# Altium PCB VCU.PcbDoc (part 1 of 2)
Units mm, origin at the board's own origin, x right, y up, seen from the top; angles counter-clockwise.
Board outline 152.4 x 101.6 mm, 4 copper layers (Top Layer, Layer 1, Layer 2, Bottom Layer), stack 0.603 mm thick; 101 components, 108 nets, 442 pads, 150 vias.
Unrouted connection lines stored in the file: 1.
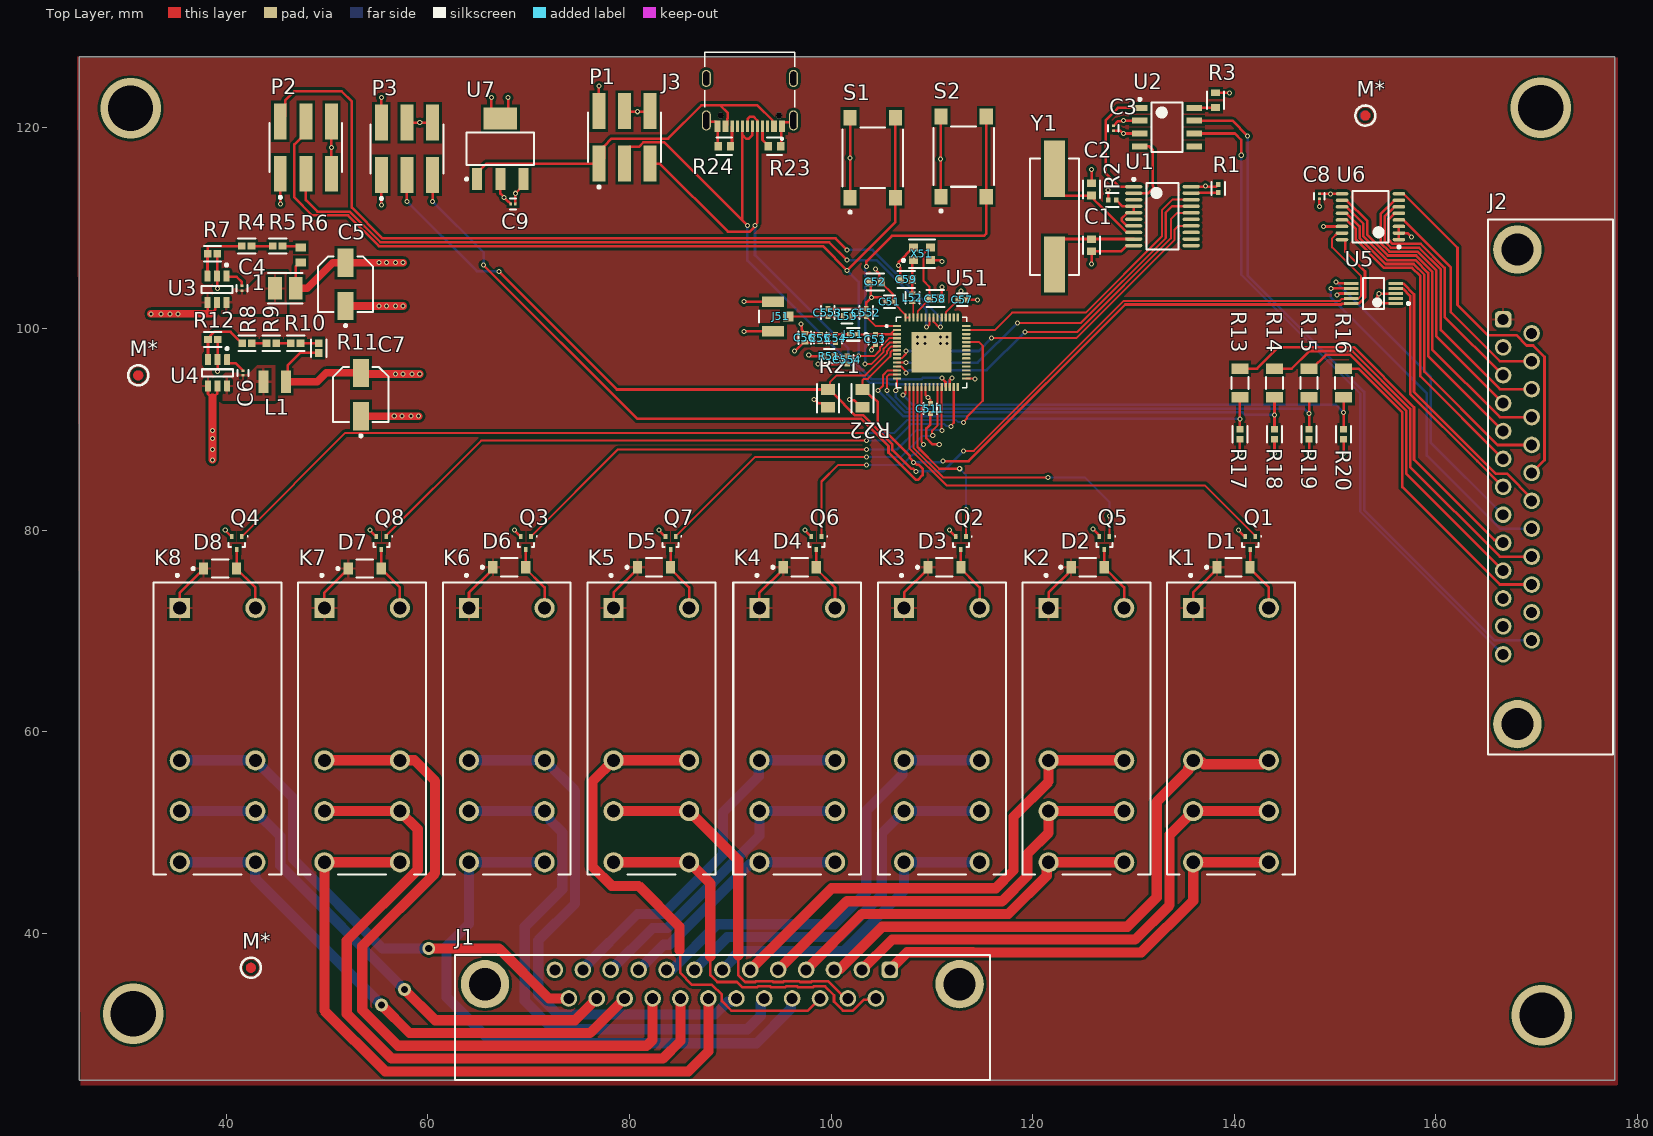
[diagram p0: Top Layer view]
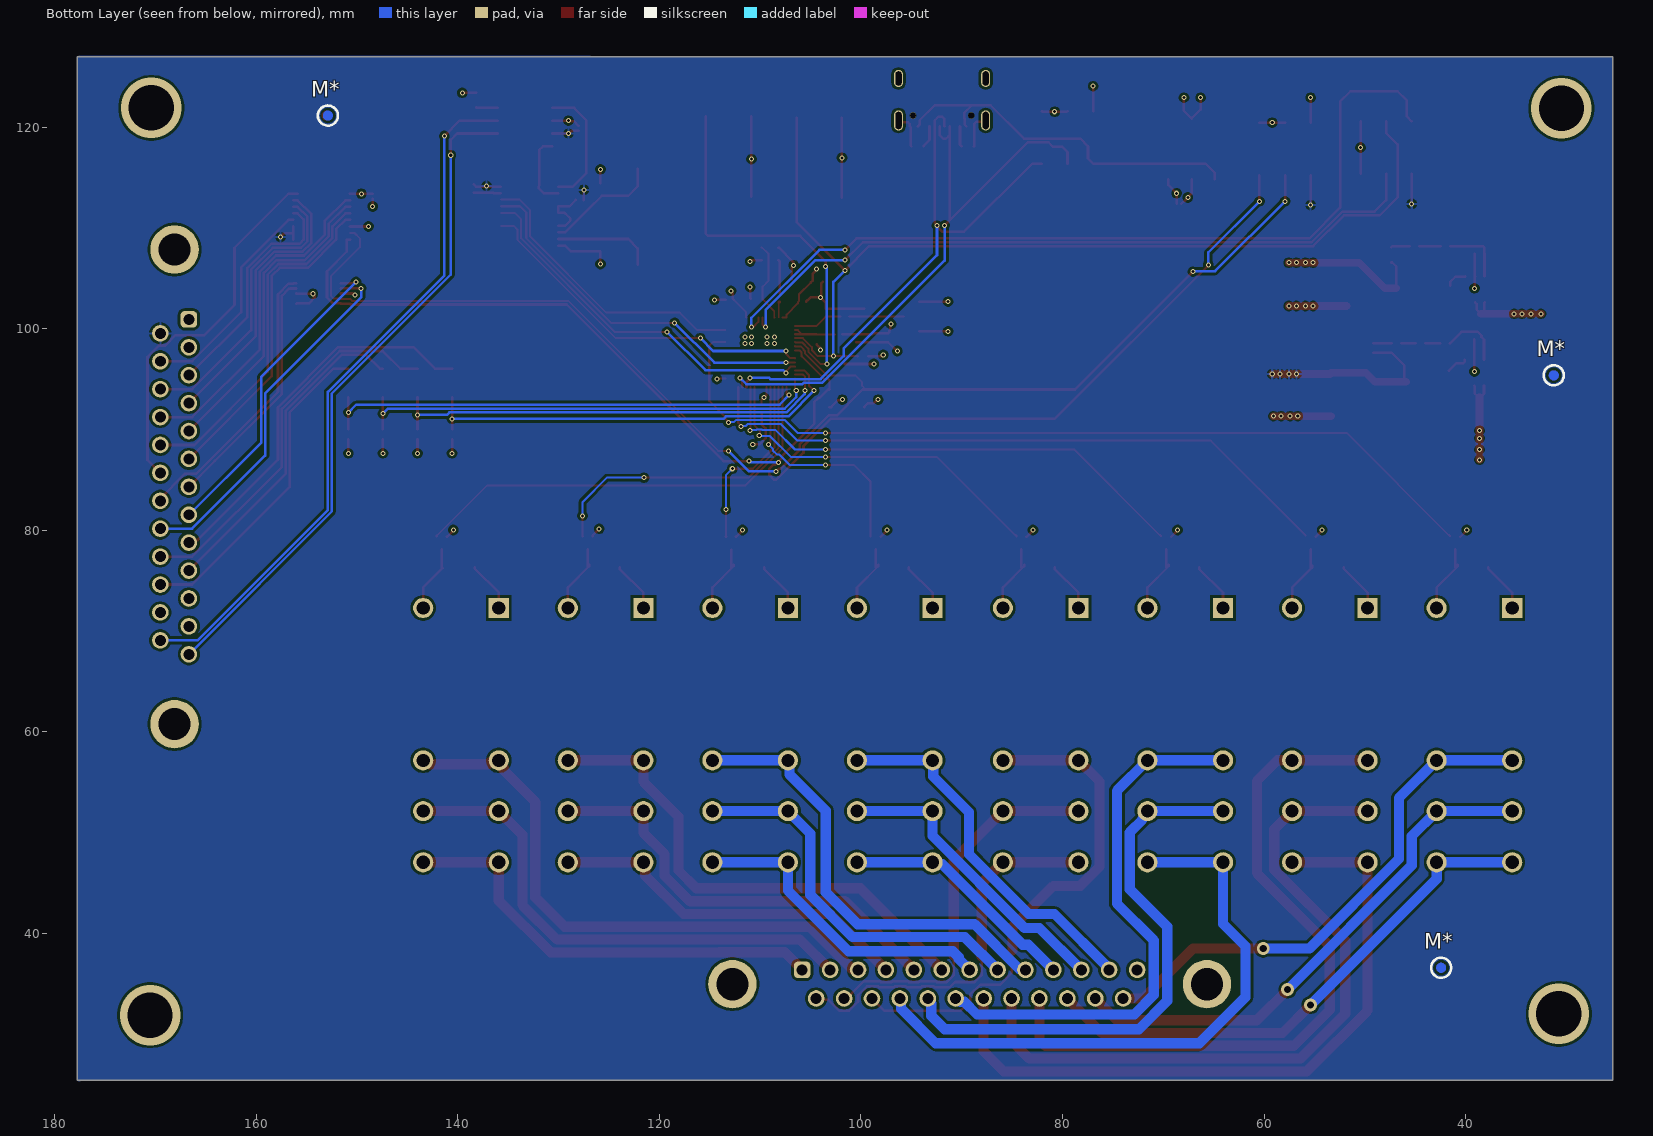
[diagram p1: Bottom Layer view, seen from below]
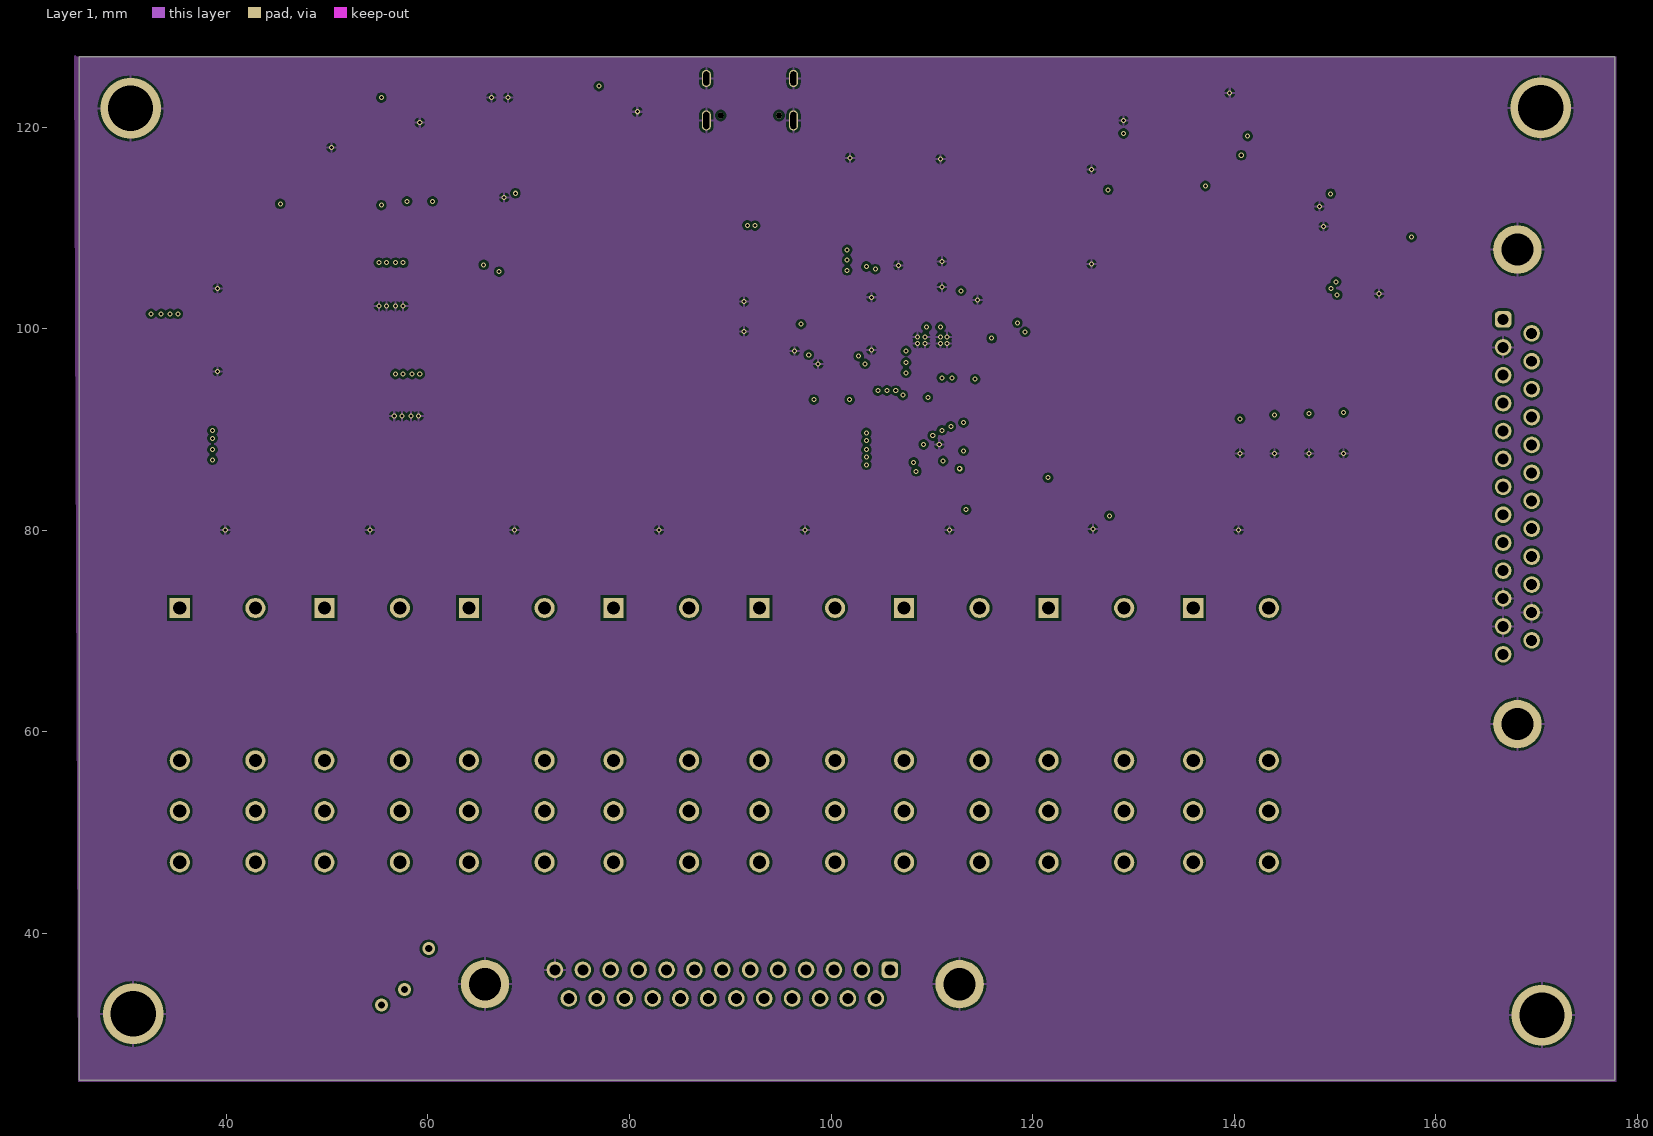
[diagram p2: Layer 1]
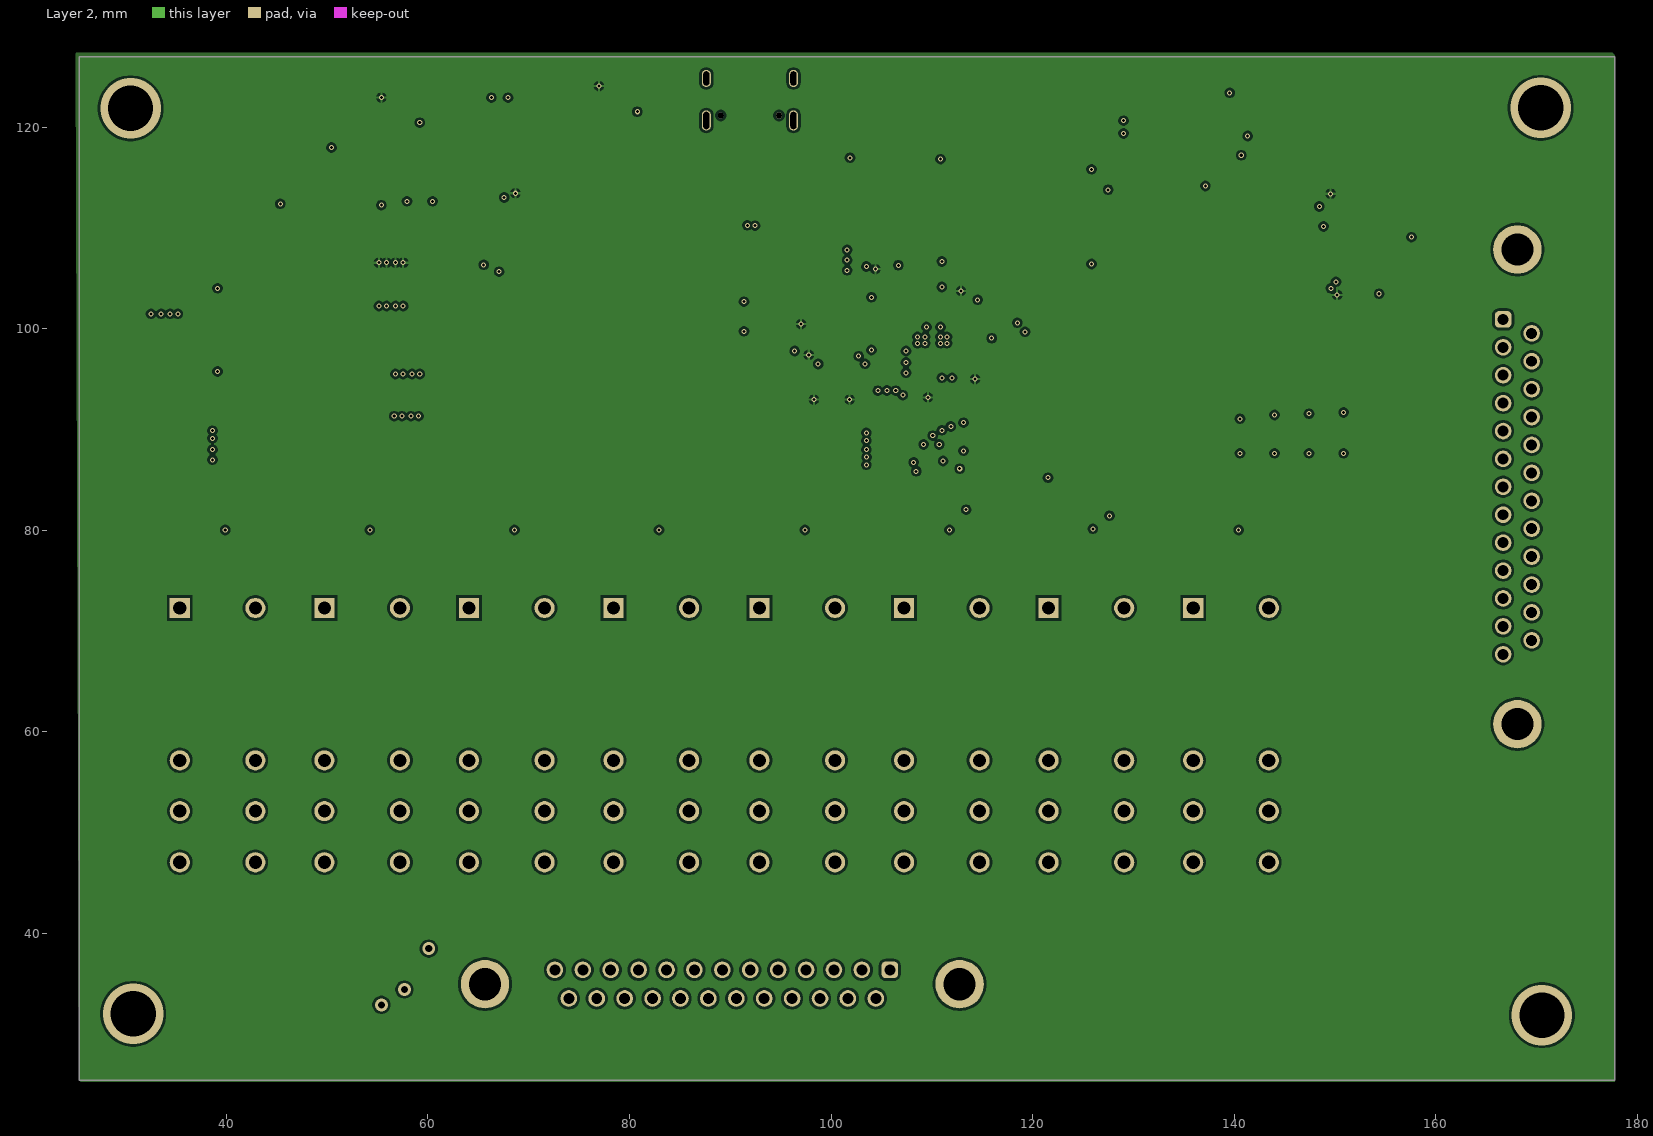
[diagram p3: Layer 2]
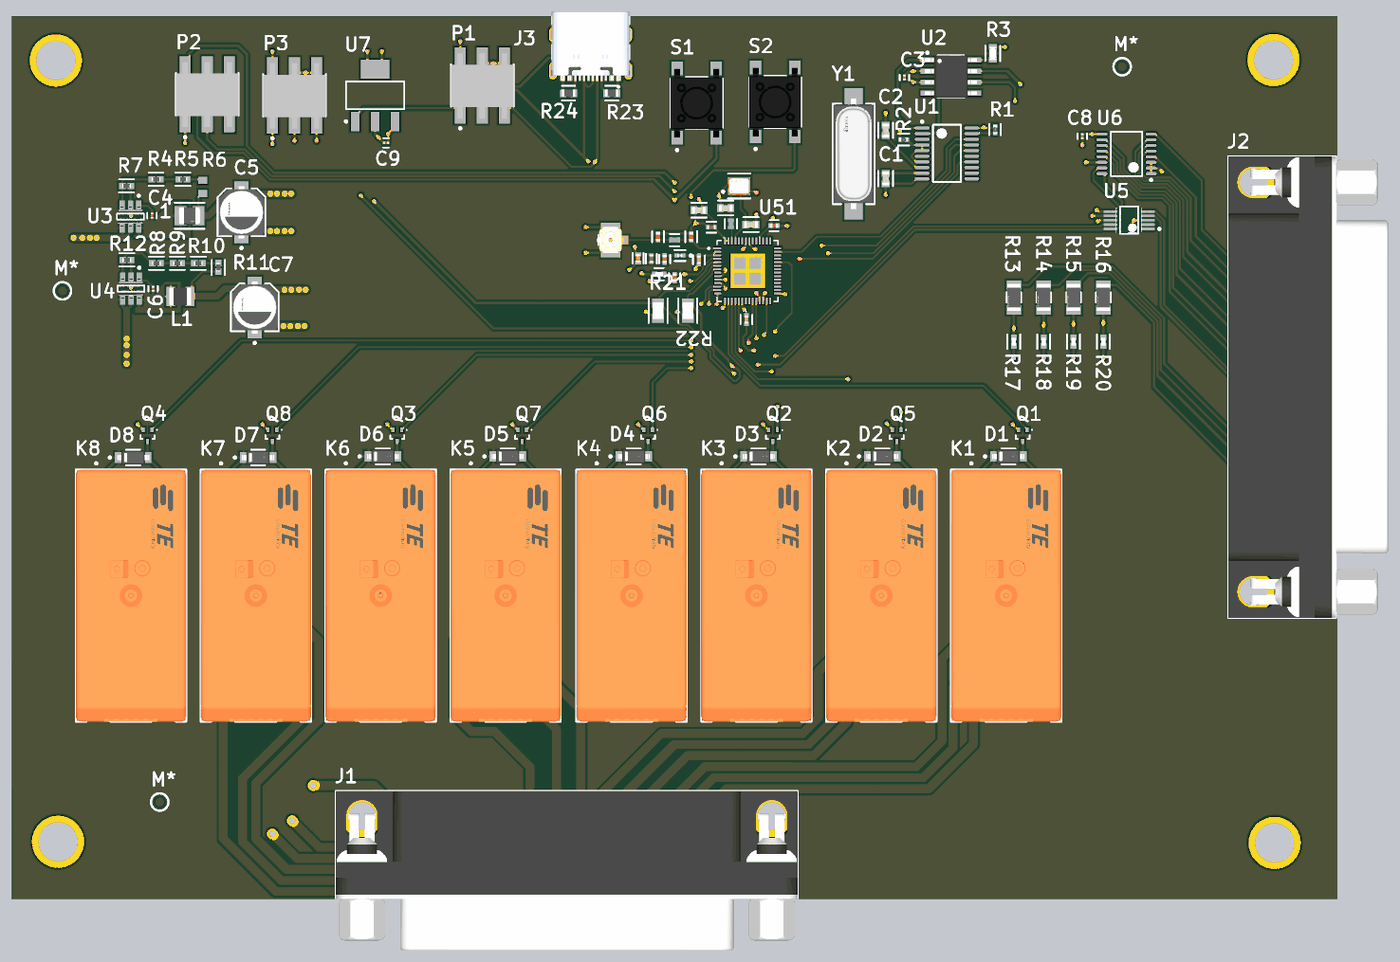
[diagram p5: 3D render of the assembled board from above, using the file's embedded part models]

## Layer stack, top to bottom
Top Solder: solder mask 0.0102, Solder Resist, Dk 3.5
Top Layer: signal copper 0.0356
Dielectric 2: prepreg 0.0711, PP-006, Dk 4.1
Layer 1: signal copper 0.035
Dielectric 1: dielectric 0.32, FR-4, Dk 4.8
Layer 2: signal copper 0.035
Dielectric 3: prepreg 0.0711, PP-006, Dk 4.1
Bottom Layer: signal copper 0.0356
Bottom Solder: solder mask 0.0102, Solder Resist, Dk 3.5

## Board outline
25.4,25.4 177.8,25.4 177.8,127 25.4,127

## Design rules (kind name [scope] priority, off if disabled: settings)
Clearance [All] p1: gap=0.254 ignorepadtopadclearanceinfootprint=TRUE except(0: Arc-Hole Track-Hole SMDPad-Hole THPad-Hole Via-Hole Fill-Hole Poly-Hole Region-Hole Text-Hole; 0.127: Arc-Arc Arc-Track Arc-SMDPad Track-Track Track-SMDPad SMDPad-SMDPad)
PolygonConnect [All] p1: connectstyle=Relief reliefconductorwidth=0.254 reliefentries=4 polygonreliefangle="90 Angle" airgapwidth=0.254
RoutingVias [All] p1: holewidth=0.711 width=1.27 viastyle="Through Hole" minholewidth=0.711 minwidth=1.27 maxholewidth=0.711 maxwidth=1.27
SolderMaskExpansion [All] p1: expansion=0.102 istentingtop=FALSE
Width [All] p1: maxlimit=1.016 minlimit=0.127 preferedwidth=0.254
30 further rules are at their usual default settings.

## Classes and differential pairs
component class U_Supply: 1 C4 C5 C6 C7 C9 L1 R4 R5 R6 R7 R8 R9 R10 R11 R12 U3 U4 U7
component class U_Relays: D1 D2 D3 D4 D5 D6 D7 D8 K1 K2 K3 K4 K5 K6 K7 K8 Q1 Q2 Q3 Q4 Q5 Q6 Q7 Q8
component class U_GPIO: C8 R13 R14 R15 R16 R17 R18 R19 R20 U5 U6
component class U_ESP32S3: C51 C52 C53 C54 C55 C56 C57 C58 C59 C511 C552 C553 C554 J3 J51 L51 L52 L53 M* P1 P2 P3 R21 R22 R23 R24 R51 S1 S2 U51 X51
component class U_Connector: J1 J2
component class U_CAN: C1 C2 C3 R1 R2 R3 U1 U2 Y1

## Components (designator, comment, footprint, x,y, rotation, side; value= is the part's Value field where it differs from the comment)
1 "LQM2HPN3R3MGCL" FP-LQM2HPN_G0-IPC_B 45.847,104.013 r0 top
C1 "C0603C220J5GACTU" FP-C0603C-CF-MFG 125.857,108.296 r270 top value="22 pF"
C2 "C0603C220J5GACTU" FP-C0603C-CF-MFG 125.857,113.827 r90 top value="22 pF"
C3 "GRM033R60J104KE19D" FP-GRM033-0_03-MFG 128.016,119.904 r90 top
C4 "GRM033R60J104KE19D" FP-GRM033-0_03-MFG 41.529,104.029 r270 top
C5 "EEE1VA100SR" FP-SC-MFG 51.816,104.403 r90 top
C6 "GRM033R60J104KE19D" FP-GRM033-0_03-MFG 41.656,95.615 r270 top
C7 "EEE1VA100SR" FP-SC-MFG 53.34,93.472 r90 top
C8 "GRM033R60J104KE19D" FP-GRM033-0_03-MFG 148.463,113.157 r270 top
C9 "GRM033R60J104KE19D" FP-GRM033-0_03-MFG 68.437,112.395 r180 top
C51 "GRM155R61A105KE15D" FP-GRM15-0_1-MFG 105.821,102.694 r180 top value=1uF
C52 "C0603C103K8RACTU" FP-C0603C-CF-MFG 104.394,104.648 r180 top value="10,000 pF"
C53 "CC0402KRX7R6BB104" FP-CC0402-MFG 104.394,98.941 r270 top value="100 nF"
C54 "C0402C104K8PACTU" FP-C0402-BB-MFG 100.457,99.041 r270 top value="0.10 μF"
C55 "GRM155R61A105KE15D" FP-GRM15-0_1-MFG 98.933,99.079 r270 top value=1uF
C56 "CL05A106MP5NUNC" FP-CL05A106MP5NUNC-MFG 97.409,99.105 r270 top value=10uF
C57 "C0402C104K8PACTU" FP-C0402-BB-MFG 113.03,102.87 r0 top value="0.10 μF"
C58 "C0603C160J5GACTU" FP-C0603C-CF-MFG 110.363,102.997 r0 top value="16 pF"
C59 "C0603C160J5GACTU" FP-C0603C-CF-MFG 107.477,104.902 r180 top value="16 pF"
C511 "CC0402KRX7R6BB104" FP-CC0402-MFG 109.855,92.075 r270 top value="100 nF"
C552 "GJM1555C1H2R8WB01D" FP-GJM155-0_05-IPC_C 103.505,101.598 r90 top
C553 "GJM1555C1H4R5BB01D" FP-GJM155-0_05-IPC_C 99.695,101.6 r90 top
C554 "C0402C123K4RACTU" FP-C0402-BB-MFG 101.6,96.901 r270 top value="12,000 pF"
D1 "SBR80520LT1G" FP-425-04-MFG 139.954,76.327 r0 top
D2 "SBR80520LT1G" FP-425-04-MFG 125.476,76.327 r0 top
D3 "SBR80520LT1G" FP-425-04-MFG 111.252,76.327 r0 top
D4 "SBR80520LT1G" FP-425-04-MFG 96.901,76.327 r0 top
D5 "SBR80520LT1G" FP-425-04-MFG 82.423,76.327 r0 top
D6 "SBR80520LT1G" FP-425-04-MFG 68.072,76.327 r0 top
D7 "SBR80520LT1G" FP-425-04-MFG 53.721,76.2 r0 top
D8 "SBR80520LT1G" FP-425-04-MFG 39.37,76.2 r0 top
J1 "618025231121" 618025231121 89.214,31.648 r0 top
J2 "618025231121" 618025231121 171.425,84.309 r90 top
J3 "TYPE-C-31-M-12" HRO_TYPE-C-31-M-12 91.948,124.841 r180 top
J51 "U.FL-R-SMT-1(10)" FP-U_FL-R-SMT-1_10-MFG 94.233,101.219 r270 top
K1 "7-1415899-7" FP-7-1415899-7-MFG 139.7,60.325 r270 top
K2 "7-1415899-7" FP-7-1415899-7-MFG 125.349,60.325 r270 top
K3 "7-1415899-7" FP-7-1415899-7-MFG 110.998,60.325 r270 top
K4 "7-1415899-7" FP-7-1415899-7-MFG 96.647,60.325 r270 top
K5 "7-1415899-7" FP-7-1415899-7-MFG 82.169,60.325 r270 top
K6 "7-1415899-7" FP-7-1415899-7-MFG 67.818,60.325 r270 top
K7 "7-1415899-7" FP-7-1415899-7-MFG 53.467,60.325 r270 top
K8 "7-1415899-7" FP-7-1415899-7-MFG 39.116,60.325 r270 top
L1 "74479887247A" WE-PMI_1008_L2.5W2H1 44.788,94.742 r0 top
L51 "LQP03TN2N0B02D" FP-LQP03TG_02-IPC_A 102.208,99.441 r180 top
L52 "LQW15AN20NG00D" FP-LQW15AN_00-W0_6-0_1-MFG 108.077,103.08 r270 top
L53 "LQW15AN11NG00D" FP-LQW15AN_00-W0_6-0_1-MFG 101.6,101.219 r0 top
M* "Passermarke" Passermarke-Footprint-1 152.908,121.158 r180 bottom
M* "Passermarke" Passermarke-Footprint-1 31.242,95.377 r180 bottom
M* "Passermarke" Passermarke-Footprint-1 42.418,36.576 r180 bottom
M* "Passermarke" Passermarke-Footprint-1 42.418,36.576 r0 top
M* "Passermarke" Passermarke-Footprint-1 31.242,95.377 r0 top
M* "Passermarke" Passermarke-Footprint-1 153.035,121.158 r0 top
P1 "5-146130-2" TECO-5-146130-2_V 79.502,118.999 r0 top
P2 "5-146130-2" TECO-5-146130-2_V 47.879,117.983 r0 top
P3 "5-146130-2" TECO-5-146130-2_V 57.912,117.856 r0 top
Q1 "DTC123JET1G" ONSC-SC-75-3-463-01_V 141.605,78.74 r270 top
Q2 "DTC123JET1G" ONSC-SC-75-3-463-01_V 112.895,78.728 r270 top
Q3 "DTC123JET1G" ONSC-SC-75-3-463-01_V 69.723,78.74 r270 top
Q4 "DTC123JET1G" ONSC-SC-75-3-463-01_V 41.021,78.74 r270 top
Q5 "DTC123JET1G" ONSC-SC-75-3-463-01_V 127.127,78.74 r270 top
Q6 "DTC123JET1G" ONSC-SC-75-3-463-01_V 98.552,78.74 r270 top
Q7 "DTC123JET1G" ONSC-SC-75-3-463-01_V 84.074,78.74 r270 top
Q8 "DTC123JET1G" ONSC-SC-75-3-463-01_V 55.372,78.74 r270 top
R1 "ERJ-2RKF1003X" FP-ERJ2RK-IPC_C 138.43,113.919 r90 top
R2 "ERJ-2RKF1003X" FP-ERJ2RK-IPC_C 127.91,112.776 r0 top
R3 "ERJ-3GEYJ100V" FP-ERJ3G-MFG 138.176,122.682 r270 top value=10Ω
R4 "ERA2AEB223X" FP-ERA2A-IPC_A 42.005,108.204 r180 top
R5 "ERA2AEB223X" FP-ERA2A-IPC_A 45.085,108.204 r180 top
R6 "RC0603FR-076K8L" RESC1608X55X25ML10T15 47.371,107.327 r270 top
R7 "ERA2AEB223X" FP-ERA2A-IPC_A 38.608,107.442 r180 top
R8 "ERA2AEB223X" FP-ERA2A-IPC_A 42.037,98.552 r180 top
R9 "ERA2AEB223X" FP-ERA2A-IPC_A 44.45,98.552 r180 top
R10 "ERA2AEB223X" FP-ERA2A-IPC_A 46.863,98.552 r180 top
R11 "ERA2AEB223X" FP-ERA2A-IPC_A 49.149,98.076 r90 top
R12 "ERA2AEB223X" FP-ERA2A-IPC_A 38.64,98.933 r180 top
R13 "CR1206-JW-752ELF" FP-CR1206-IPC_B 140.589,94.615 r270 top
R14 "CR1206-JW-752ELF" FP-CR1206-IPC_B 144.018,94.615 r270 top
R15 "CR1206-JW-752ELF" FP-CR1206-IPC_B 147.447,94.615 r270 top
R16 "CR1206-JW-752ELF" FP-CR1206-IPC_B 150.876,94.615 r270 top
R17 "CRCW04022K70FKED" FP-CRCW0402-e3-IPC_A 140.589,89.529 r90 top
R18 "CRCW04022K70FKED" FP-CRCW0402-e3-IPC_A 144.018,89.529 r90 top
R19 "CRCW04022K70FKED" FP-CRCW0402-e3-IPC_A 147.447,89.529 r90 top
R20 "CRCW04022K70FKED" FP-CRCW0402-e3-IPC_A 150.876,89.529 r90 top
R21 "CR0805-JW-222ELF" FP-CR0805-IPC_B 99.695,93.091 r270 top
R22 "CR0805-JW-222ELF" FP-CR0805-IPC_B 103.124,93.091 r270 top
R23 "CRCW06035K10FKEA" FP-CRCW0603-e3-IPC_C 94.381,118.11 r180 top
R24 "CRCW06035K10FKEA" FP-CRCW0603-e3-IPC_C 89.408,118.11 r180 top
R51 "CRCW04021K00FKED" FP-CRCW0402-e3-MFG 99.822,97.282 r180 top
S1 "" FP-PTS645SM43SMTR92LFS-MFG 104.14,116.967 r90 top
S2 "" FP-PTS645SM43SMTR92LFS-MFG 113.157,117.094 r90 top
U1 "MCP2515-I/ST" TSSOP-ST20_N 132.898,111.181 r0 top